# Altium PCB CF_PCB.PcbDoc (part 1 of 2) (continued)
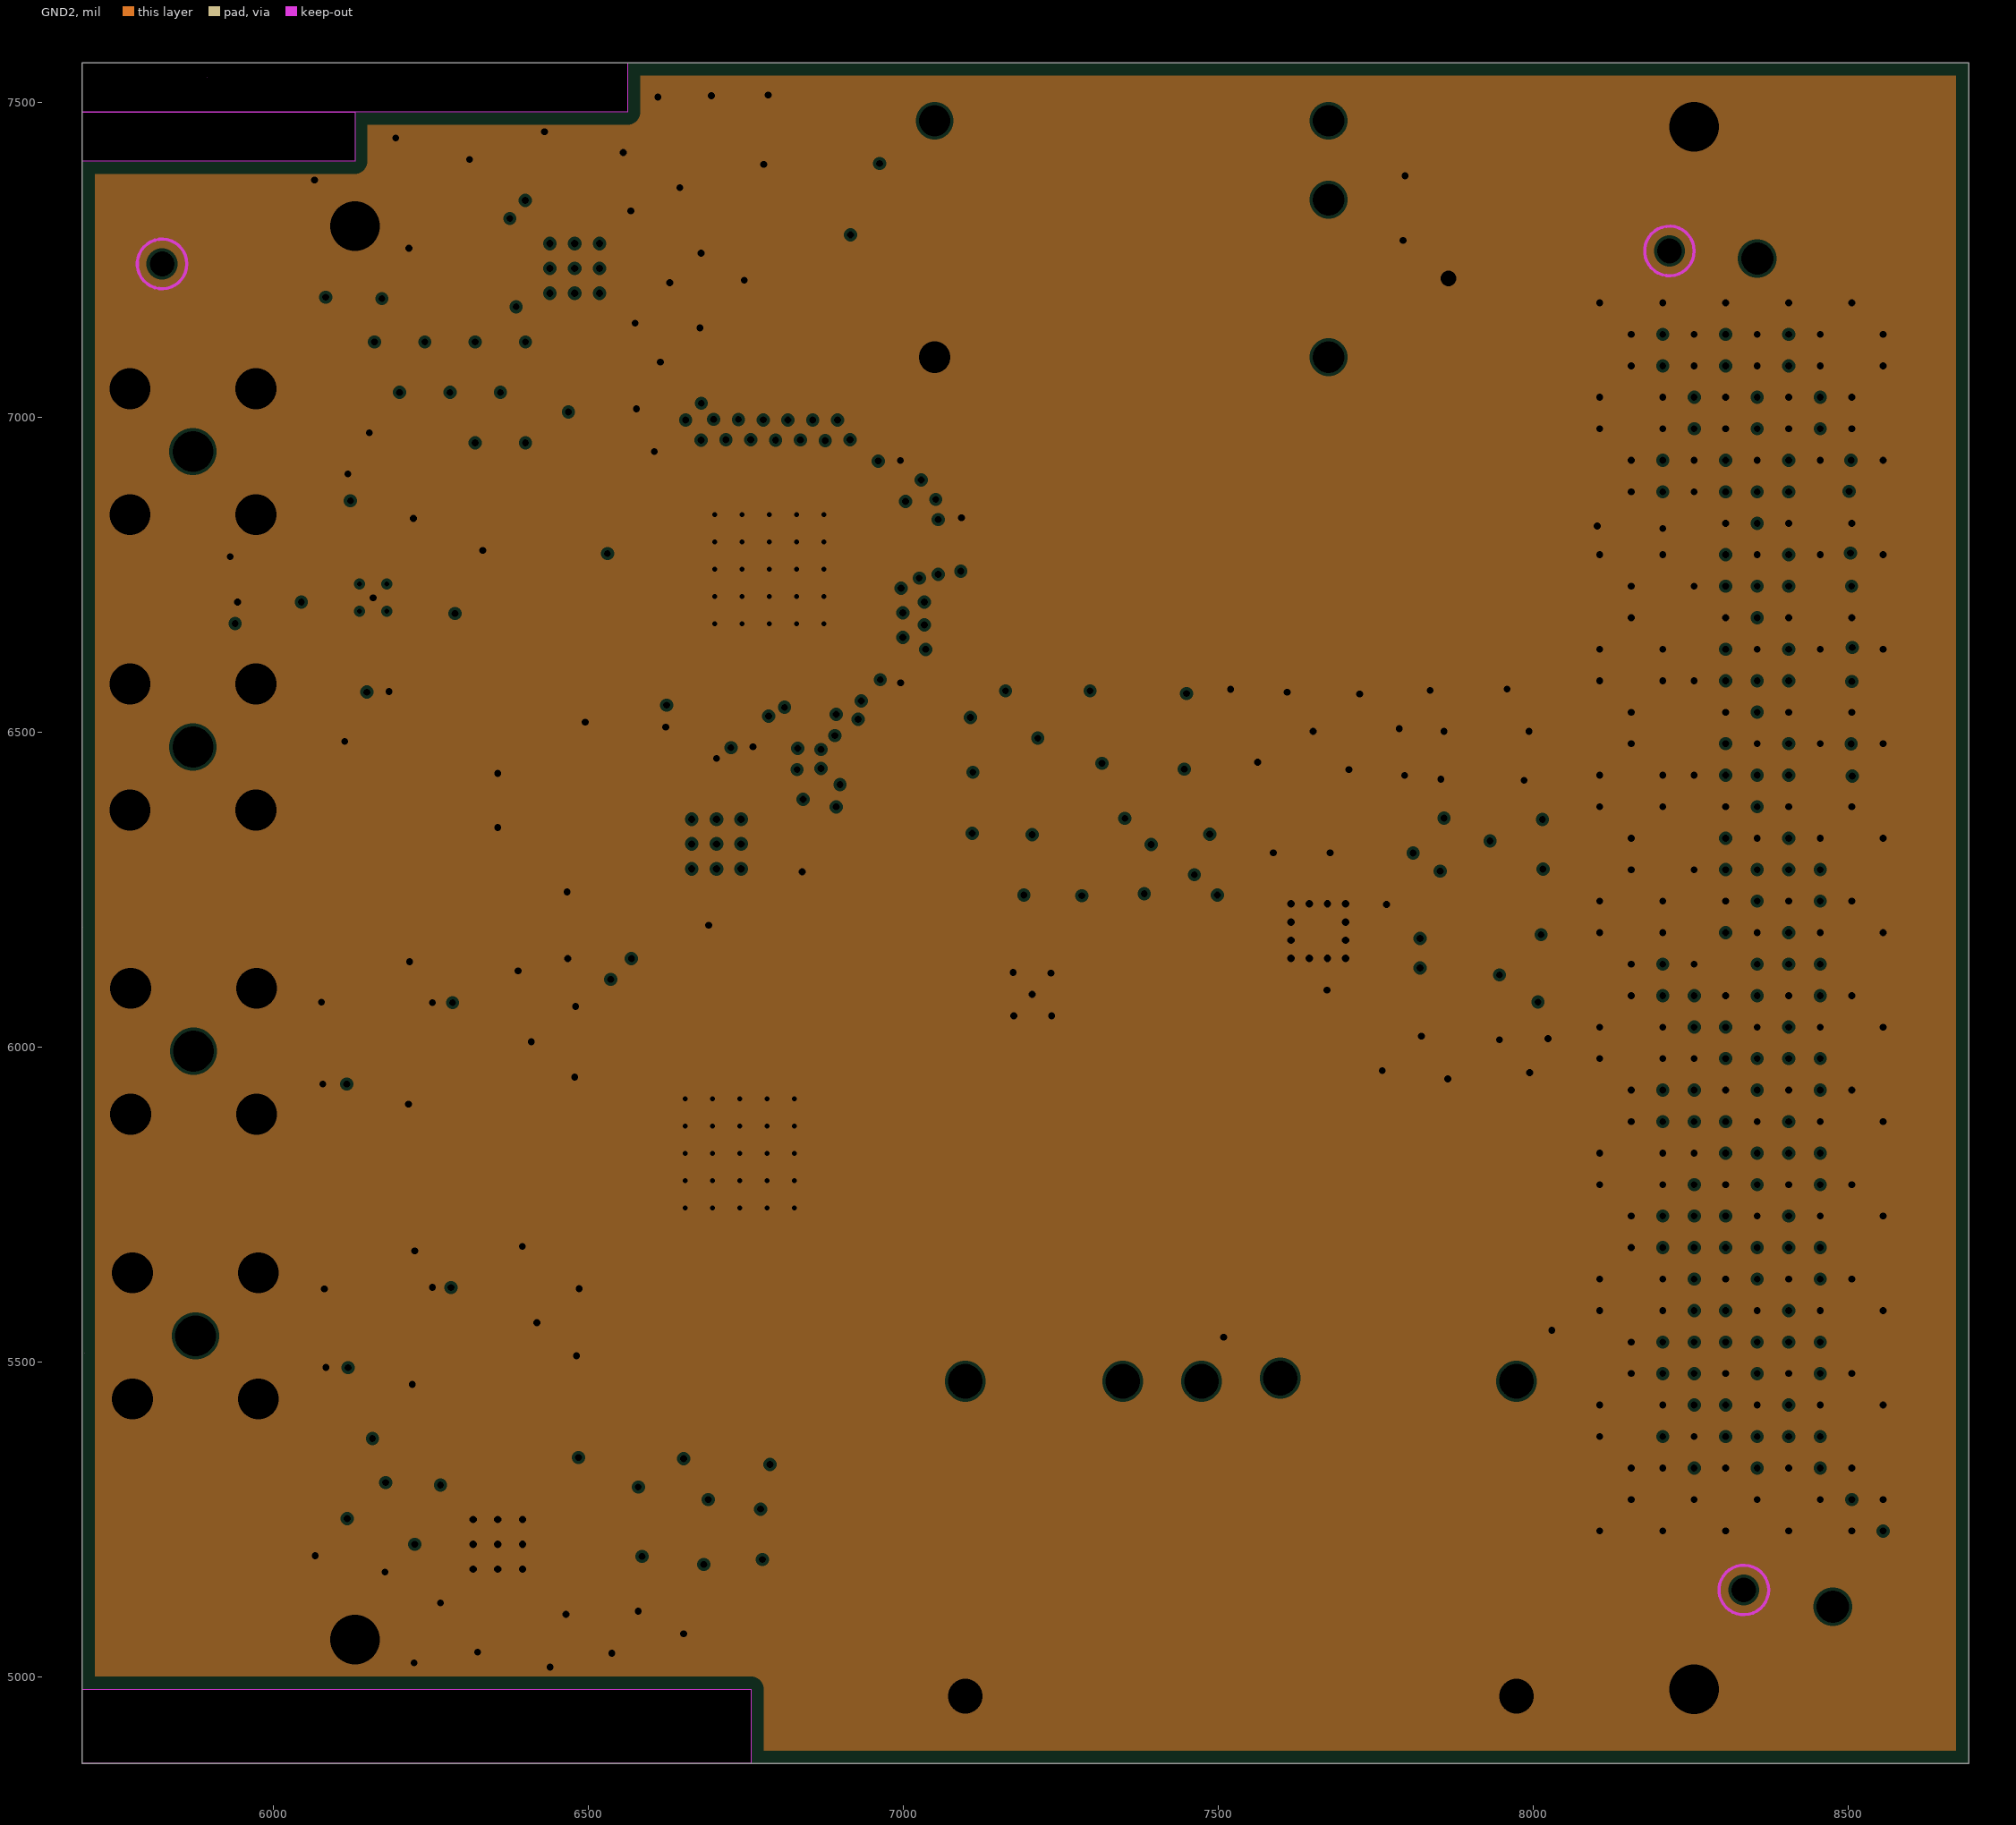
[diagram p4: GND2, clearances drawn from the general rule]
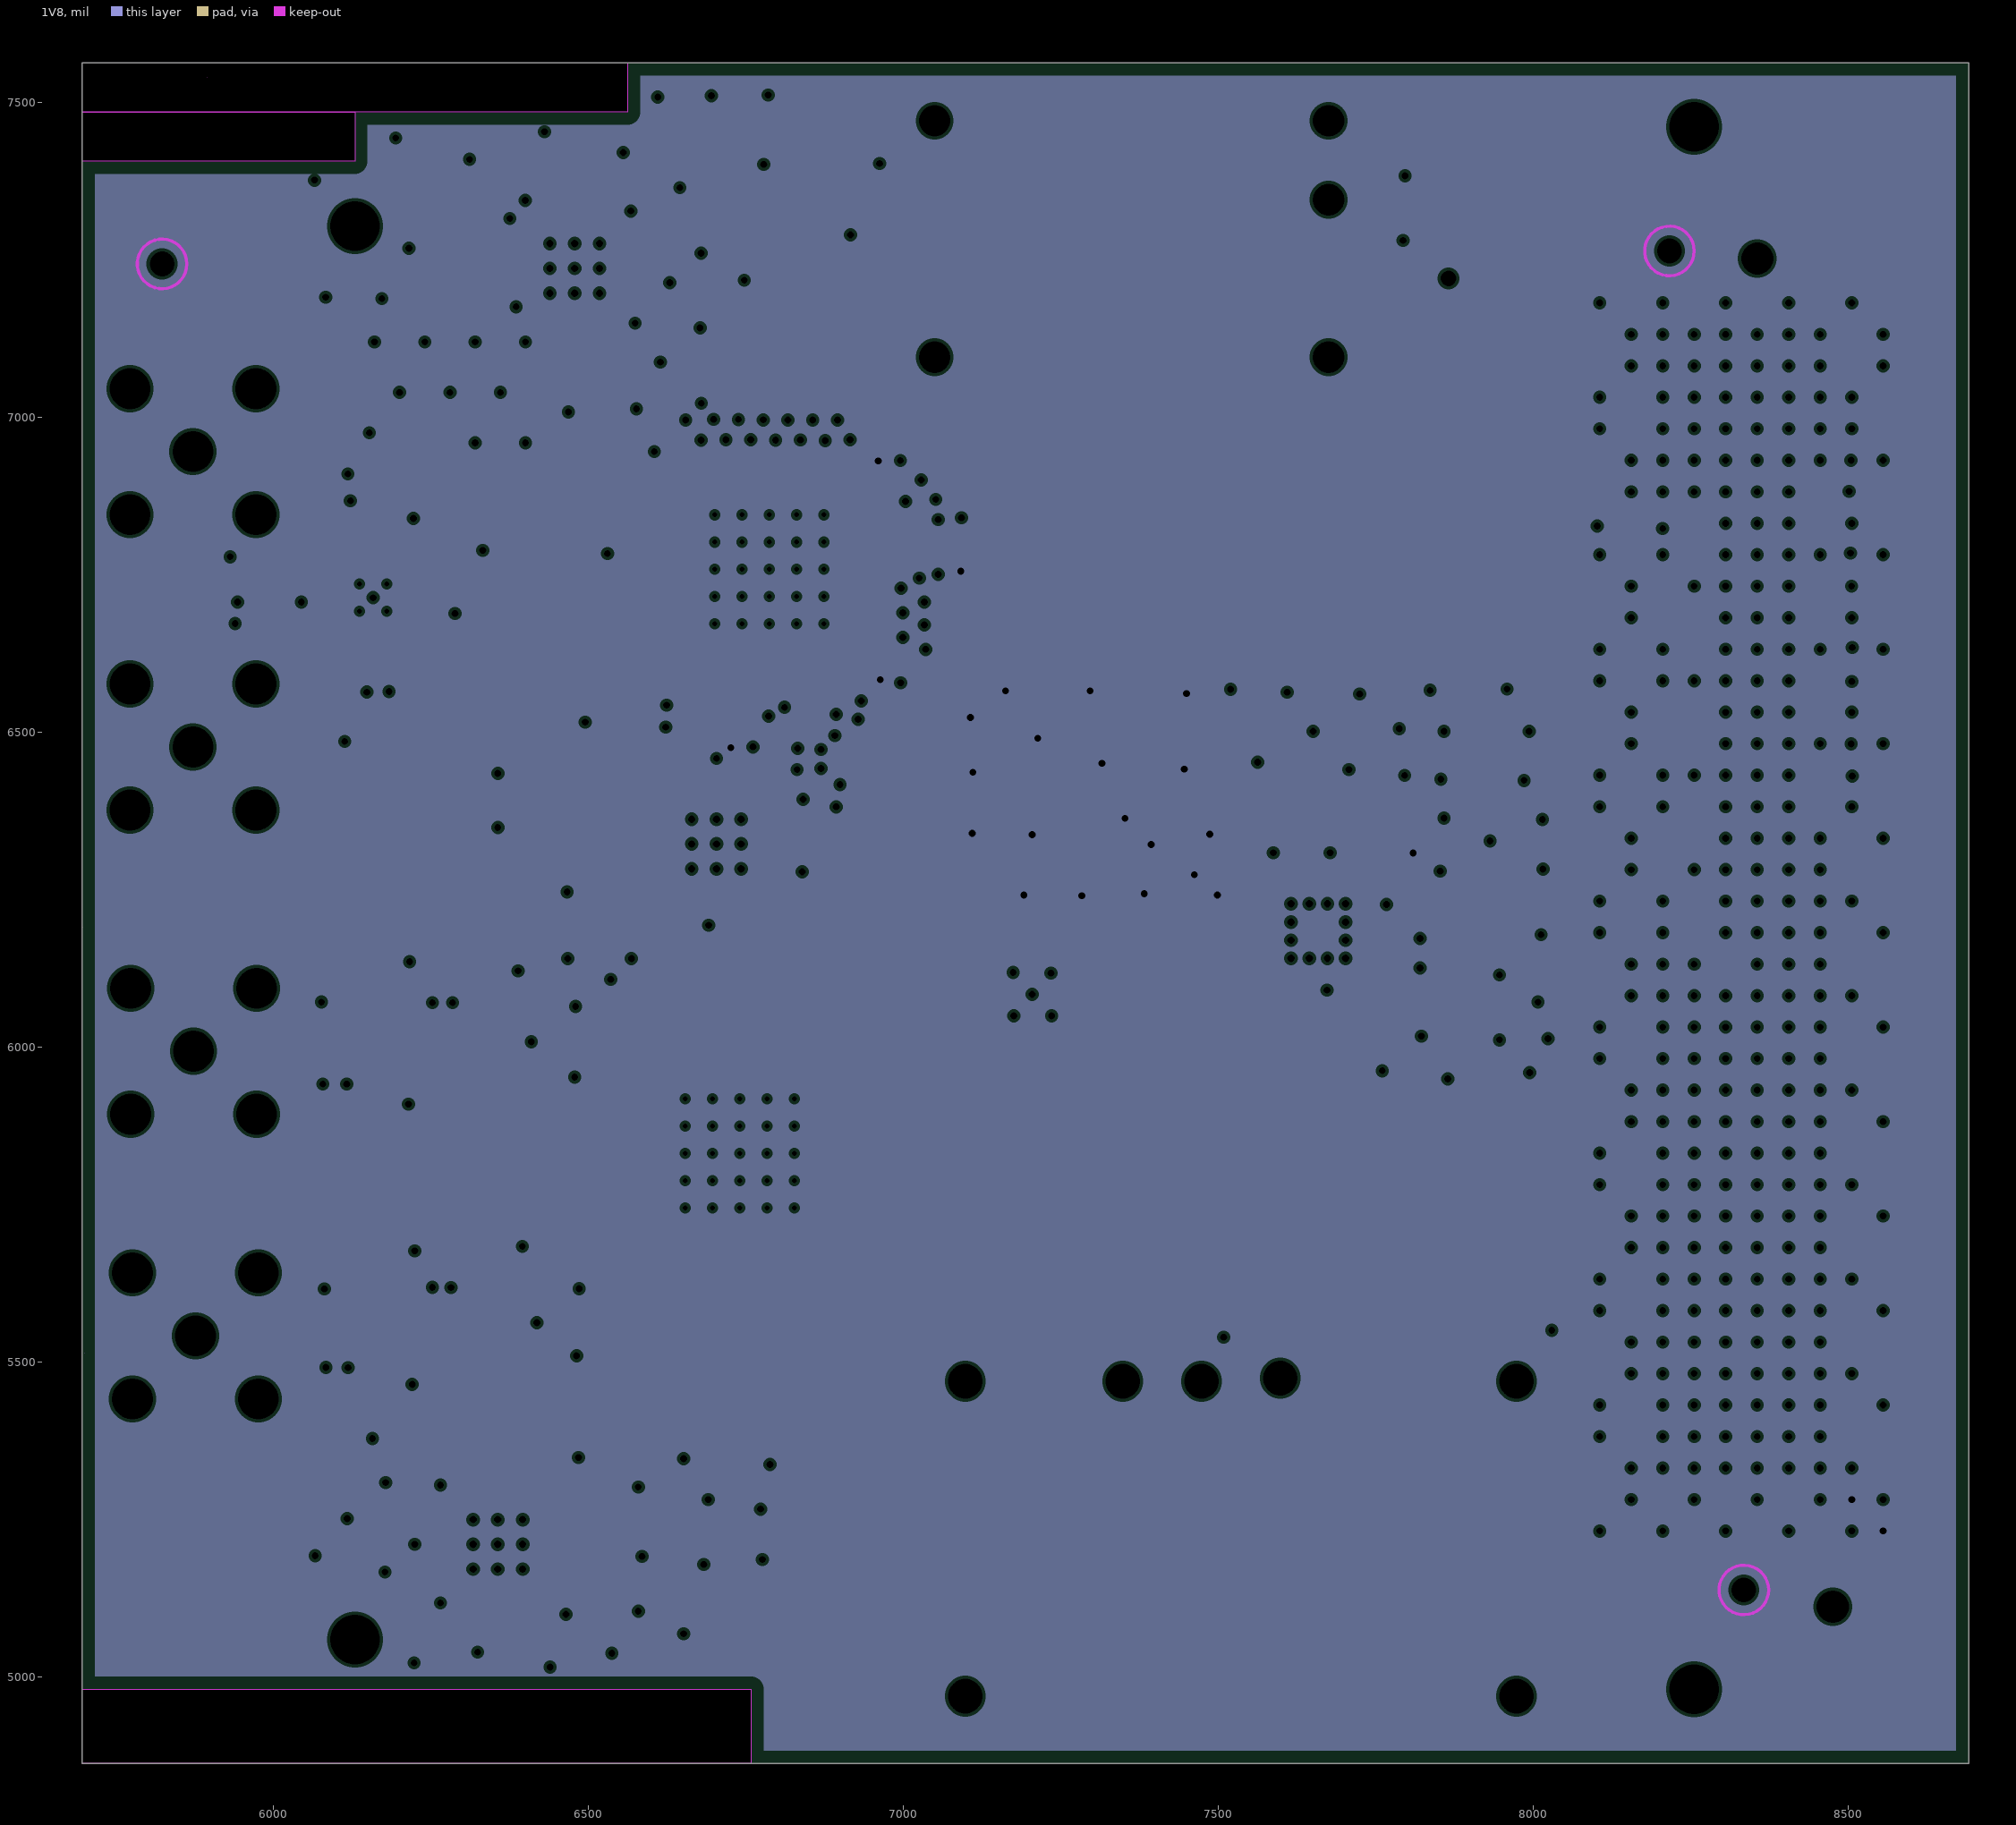
[diagram p5: 1V8, clearances drawn from the general rule]
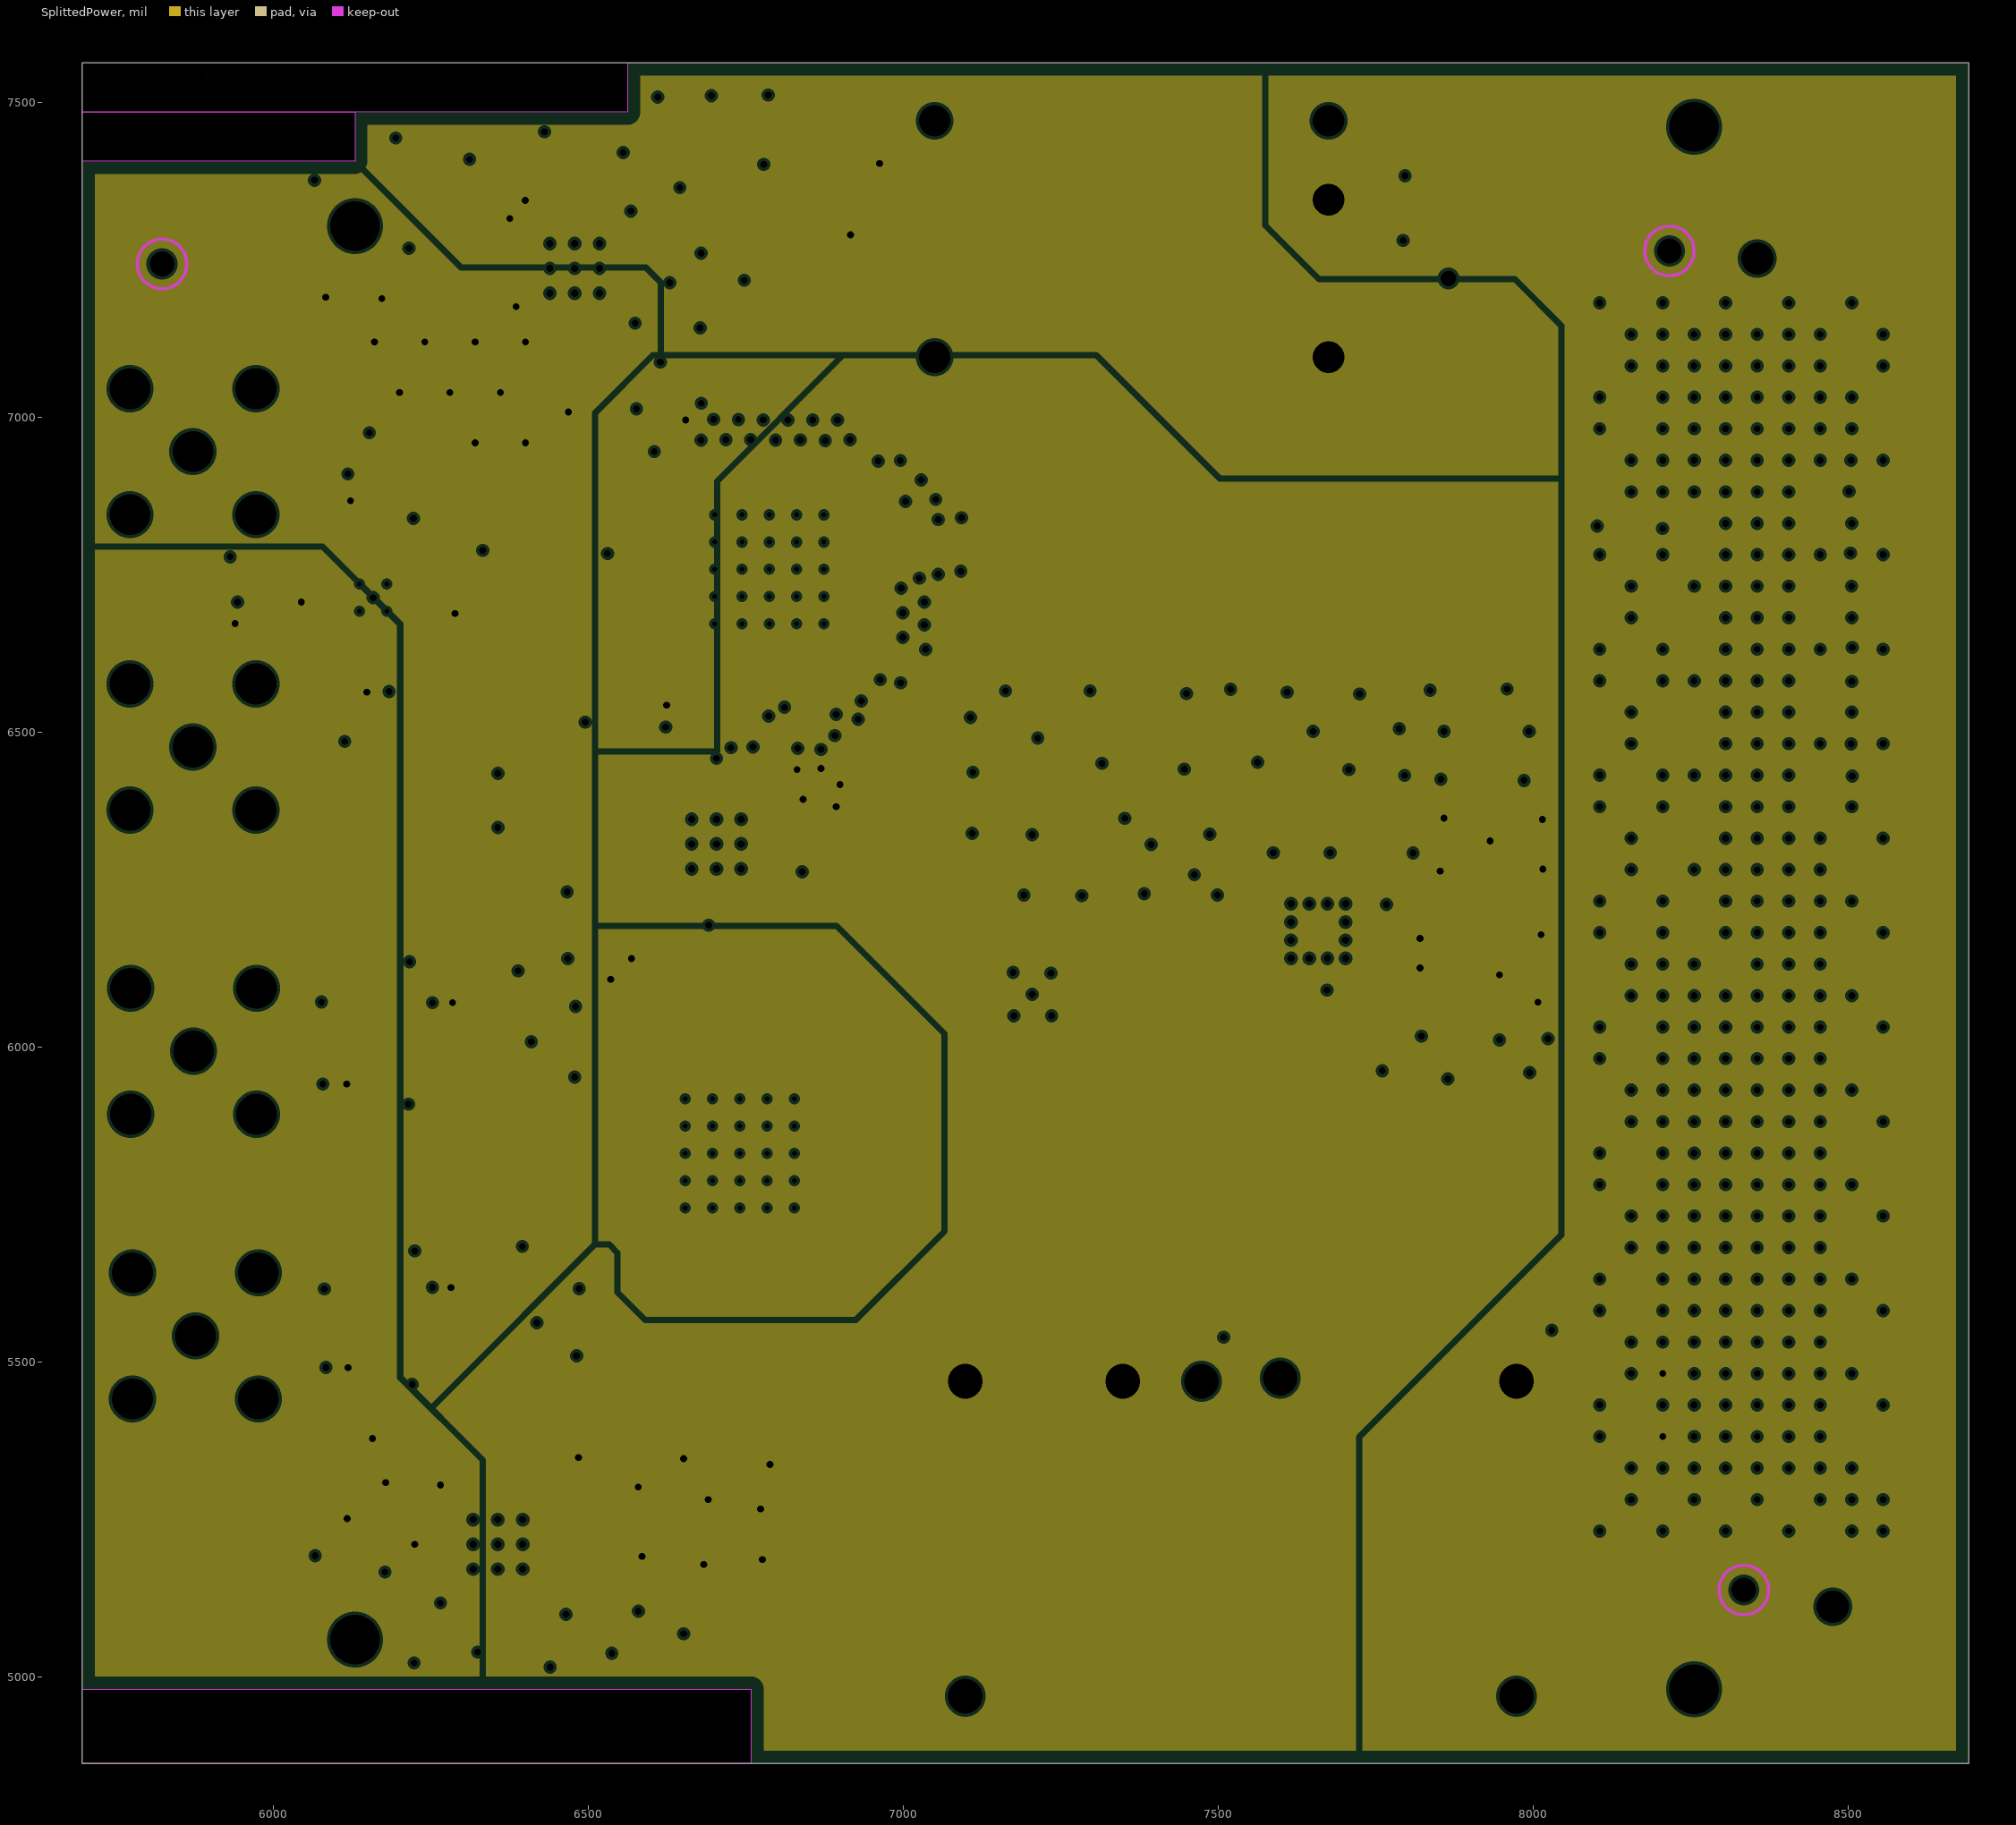
[diagram p6: SplittedPower, clearances drawn from the general rule]
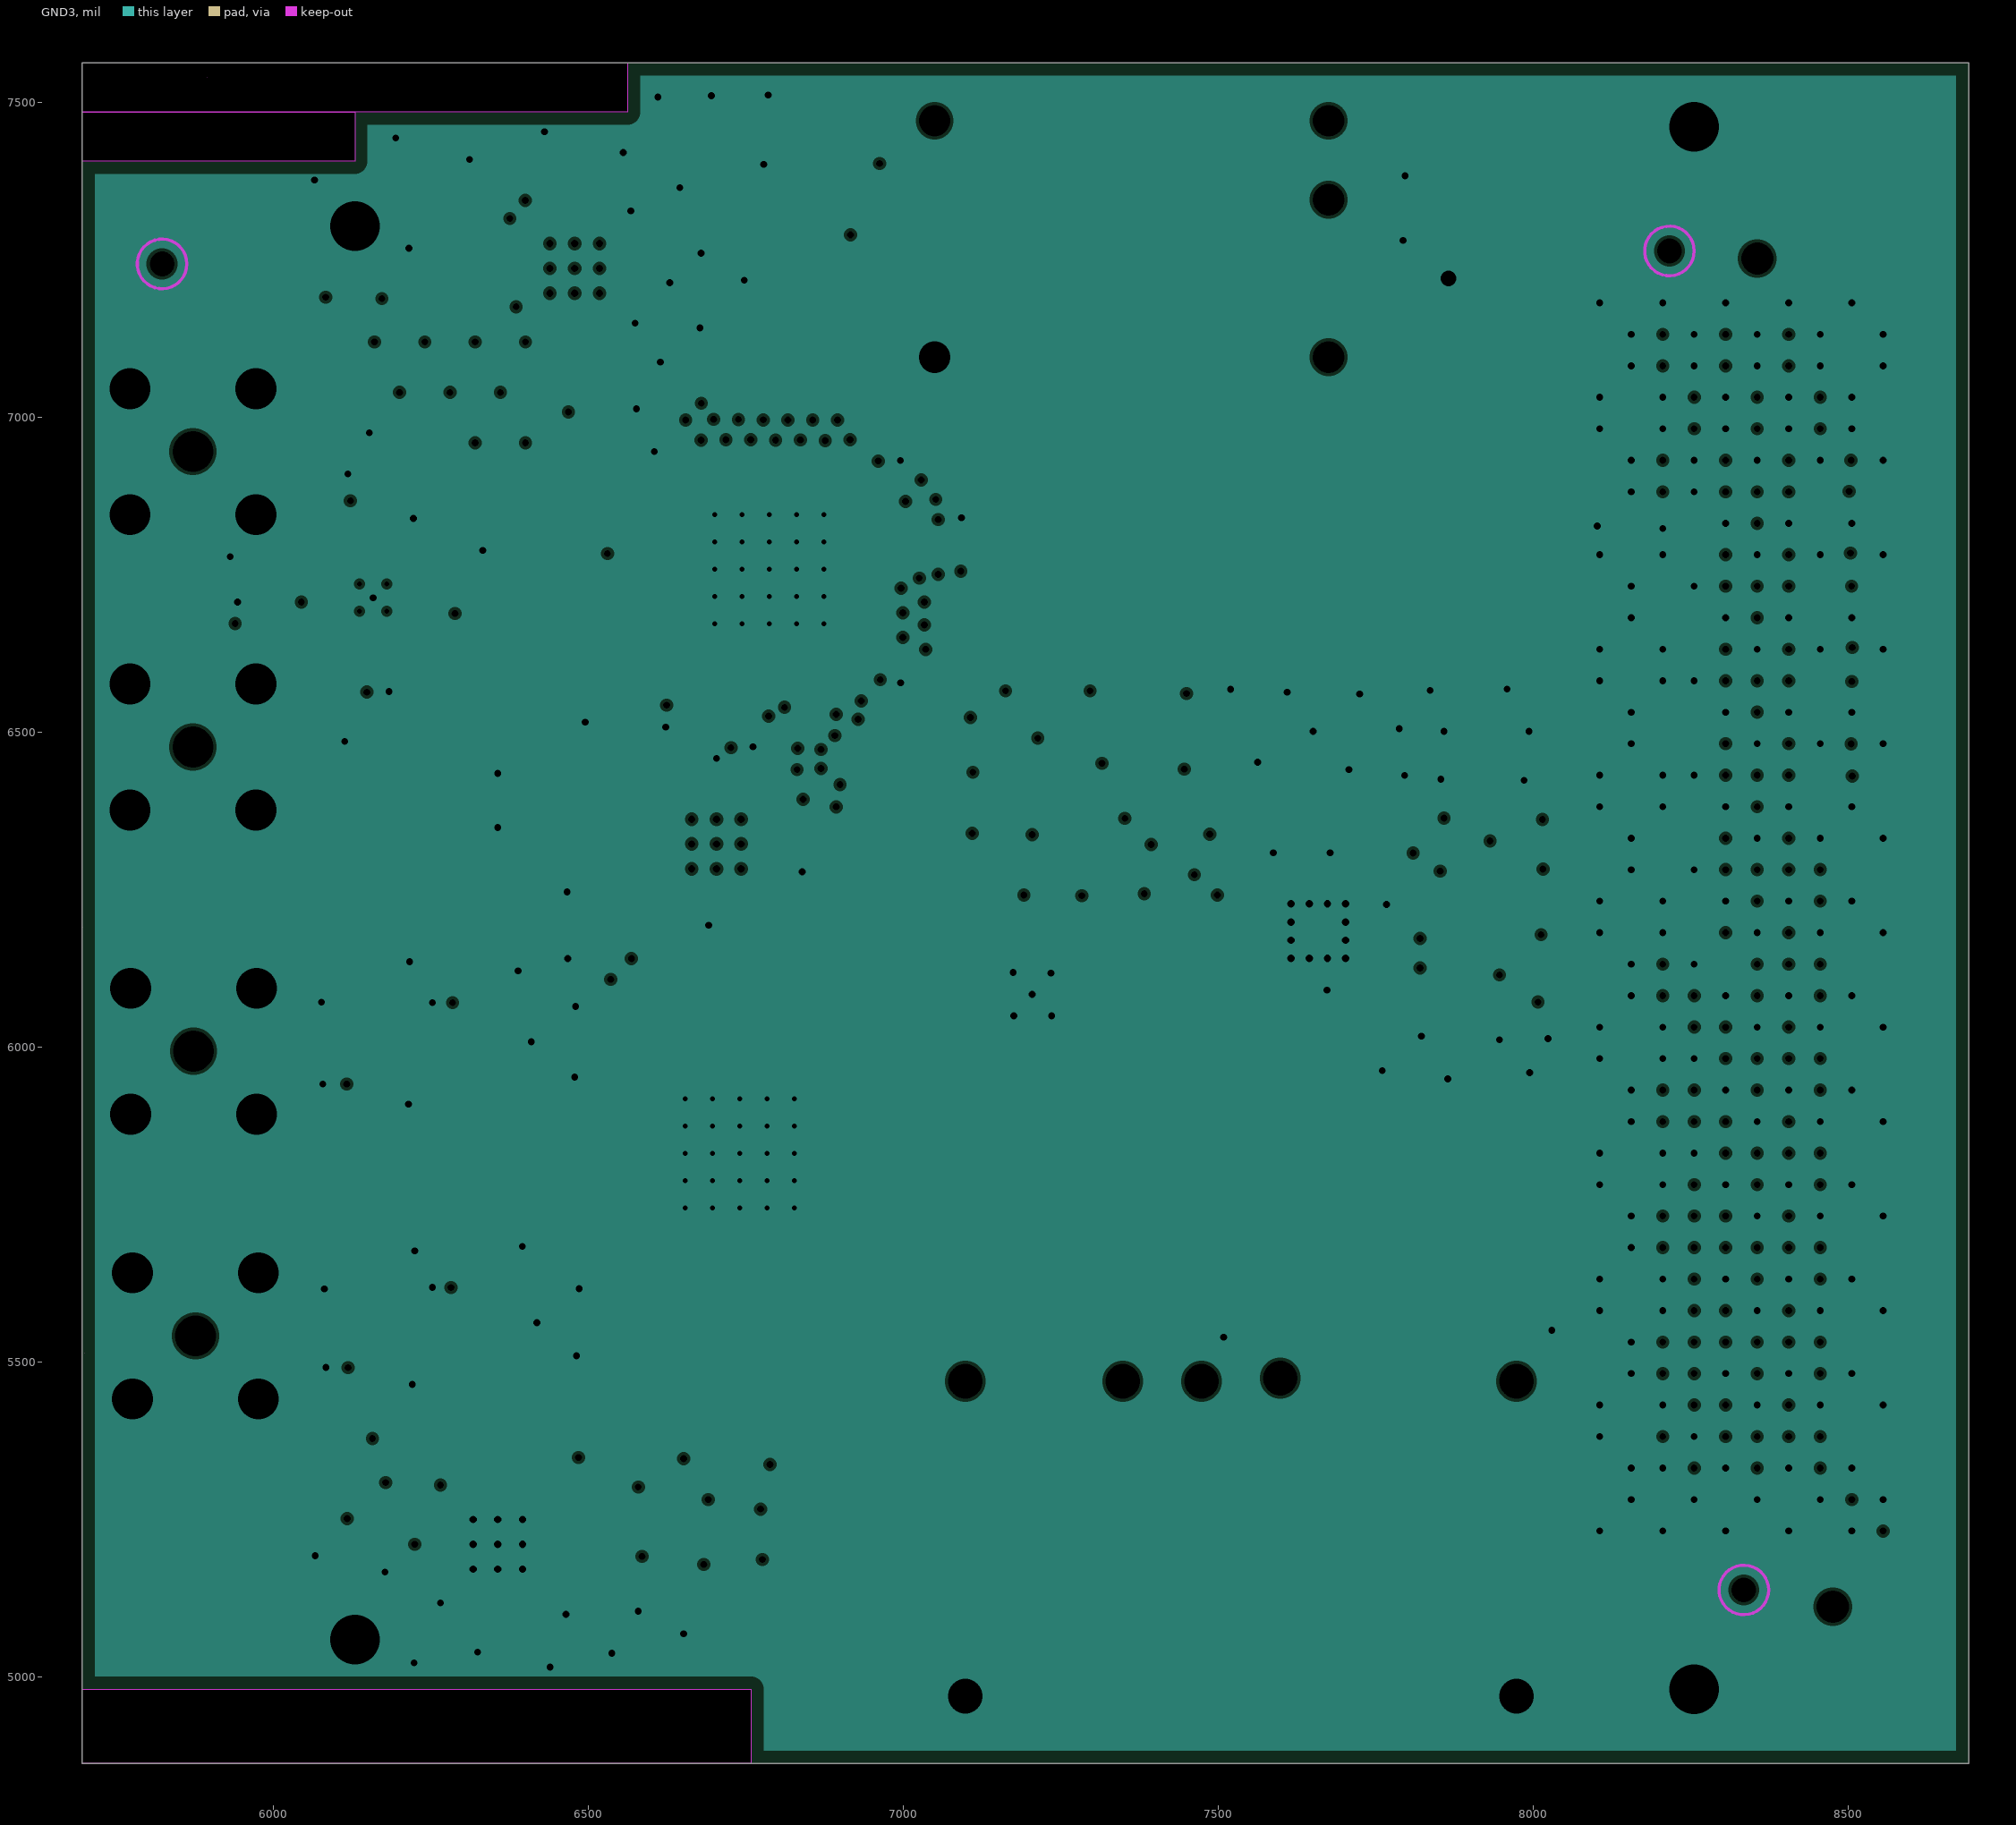
[diagram p7: GND3, clearances drawn from the general rule]